# Altium PCB 主控板20160428.PcbDoc (part 1 of 2) (continued)
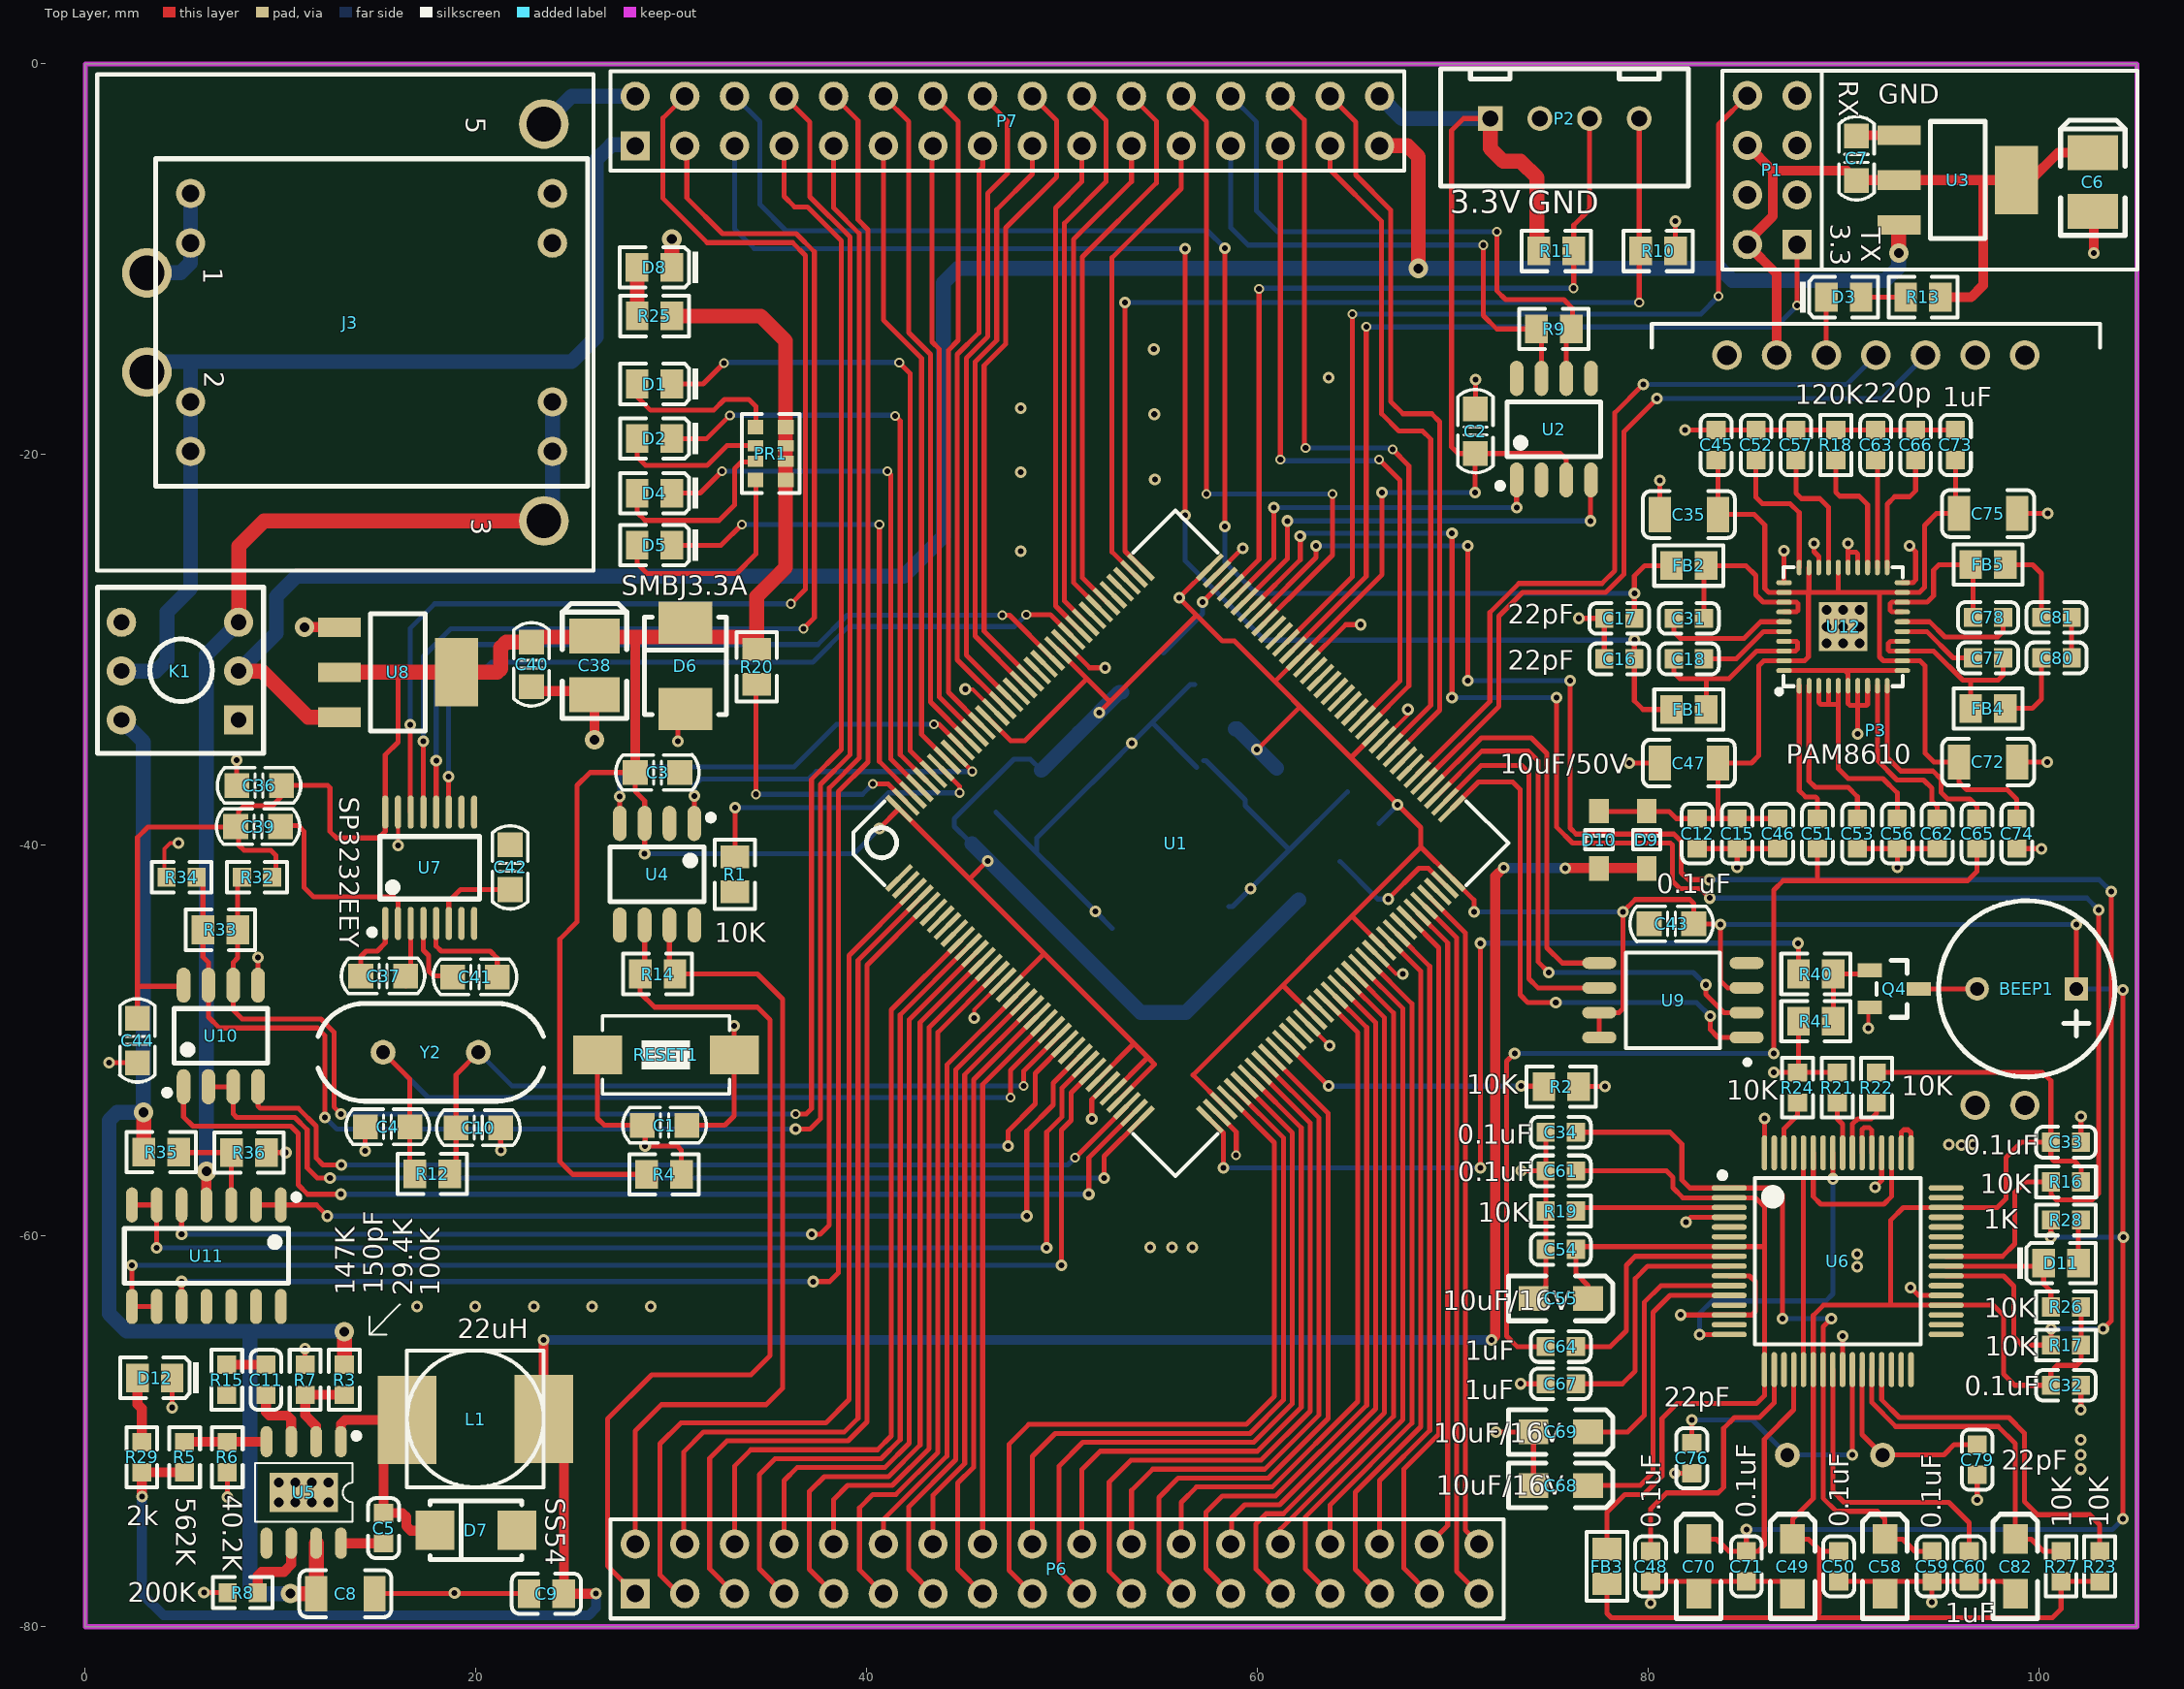
[diagram p0: Top Layer view]
## Footprints (in the part's own frame and the unit in brackets; to place one, negate y for a bottom-side part, rotate by r counter-clockwise, add the part's x,y. Pads: shape width x height; smd on the part's side, far side on the other; paste and mask are expansions set on the pad)
0603_C [mm]
  rect 0.93x0.98 smd: 1(-0.77,0) 2(0.77,0)
  silkscreen extent -1.53,-0.79 1.54,0.79, body extent -0.8,-0.4 0.8,0.4, height 0.3
0603_R [mm]
  rect 0.93x0.98 smd: 1(-0.77,0) 2(0.77,0)
  silkscreen extent -1.53,-0.79 1.54,0.79, body extent -0.85,-0.4 0.85,0.4, height 0.56
0603_Rx4 [mm]
  rect 0.75x0.8 smd mask+0.051: 1(-1.35,-0.77) 4(1.35,-0.77) 5(1.35,0.77) 8(-1.35,0.77)
  rect 0.58x0.8 smd mask+0.051: 2(-0.4,-0.77) 3(0.4,-0.77) 6(0.4,0.77) 7(-0.4,0.77)
  silkscreen extent -2.02,-1.47 2.02,1.47, body extent -1.6,-0.8 1.6,0.8, height 0.55
0805_C [mm]
  rect 1.16x1.47 smd: 1(-0.89,0) 2(0.89,0)
  silkscreen extent -1.77,-1.04 1.77,1.04, body extent -1,-0.62 1,0.63, height 0.77
0805_L [mm]
  rect 1.16x1.47 smd: 1(-0.89,0) 2(0.89,0)
  silkscreen extent -1.77,-1.04 1.77,1.03, body extent -1.02,-0.64 1.03,0.64, height 0.6
0805_R [mm]
  rect 1.16x1.47 smd: 1(-0.89,0) 2(0.89,0)
  silkscreen extent -1.77,-1.04 1.77,1.03, body extent -1,-0.62 1,0.63, height 0.49
1206_C [mm]
  rect 1.13x1.8 smd: 1(-1.49,0) 2(1.49,0)
  silkscreen extent -2.36,-1.2 2.35,1.2, body extent -1.6,-0.81 1.6,0.79, height 1
3216 [mil]
  rect 60x50 smd: 1(55,0) 2(-55,0)
  silkscreen extent -105,-45 105,45, body extent -65,-31 61,32, height 63
AS50-T27 [mm]
  round 1.5 hole 1: 0(38.4,12.7) 0(38.4,15.24)
  round 1.524 hole 1: 1(0,0) 2(0,2.54) 3(0,5.08) 4(0,7.62) 5(0,10.16) 6(0,12.7) 7(0,15.24)
  silkscreen extent -1.6,-3.85 -0.38,19.09
BELL-5 [mm]
  rect 1.2x1.2 hole 0.7: 1(0,0)
  round 1.2 hole 0.7: 2(5.08,0)
  silkscreen extent -1.97,-4.51 7.05,4.51
BTN8.5*8.5 [mm]
  rect 1.5x1.5 hole 0.8: 1(0,0)
  round 1.5 hole 0.8: 2(0,-2.5) 3(0,-5) 4(6,-5) 5(6,-2.5) 6(6,0)
  silkscreen extent -1.27,-6.79 7.23,1.71
C0805 [mil]
  rect 50x50 smd: 1(-45,0) 2(45,0)
  silkscreen extent -84,-36 84,36, body extent -39,-25 40,24, height 20
CASE-B_3528 [mm]
  rect 1.8x2.6 smd: 1(1.5,0) 2(-1.5,0)
  silkscreen extent -2.73,-1.65 3.16,1.65, body extent -1.85,-1.47 1.85,1.46, height 2.03
HDR2X4_CEN [mm]
  rect 1.5x1.5 hole 0.9: 1(0,0)
  round 1.5 hole 0.9: 2(2.54,0) 3(5.08,0) 4(7.62,0) 5(0,2.54) 6(2.54,2.54) 7(5.08,2.54) 8(7.62,2.54)
  silkscreen extent -1.27,-1.27 8.89,3.81
HDR2X16 [mm] "Connec"
  rect 1.5x1.5 hole 0.9: 1(0,0)
  round 1.5 hole 0.9: 2(0,2.54) 3(2.54,0) 4(2.54,2.54) 5(5.08,0) 6(5.08,2.54) 7(7.62,0) 8(7.62,2.54) 9(10.16,0) 10(10.16,2.54) 11(12.7,0) 12(12.7,2.54) 13(15.24,0) 14(15.24,2.54) 15(17.78,0) 16(17.78,2.54) 17(20.32,0) 18(20.32,2.54) 19(22.86,0) 20(22.86,2.54) 21(25.4,0) 22(25.4,2.54) 23(27.94,0) 24(27.94,2.54) 25(30.48,0) 26(30.48,2.54) 27(33.02,0) 28(33.02,2.54) 29(35.56,0) 30(35.56,2.54) 31(38.1,0) 32(38.1,2.54)
  silkscreen extent -1.27,-1.27 39.37,3.81
HDR2X18 [mm] "Connector; Hea"
  rect 1.5x1.5 hole 0.9: 1(0,0)
  round 1.5 hole 0.9: 2(0,2.54) 3(2.54,0) 4(2.54,2.54) 5(5.08,0) 6(5.08,2.54) 7(7.62,0) 8(7.62,2.54) 9(10.16,0) 10(10.16,2.54) 11(12.7,0) 12(12.7,2.54) 13(15.24,0) 14(15.24,2.54) 15(17.78,0) 16(17.78,2.54) 17(20.32,0) 18(20.32,2.54) 19(22.86,0) 20(22.86,2.54) 21(25.4,0) 22(25.4,2.54) 23(27.94,0) 24(27.94,2.54) 25(30.48,0) 26(30.48,2.54) 27(33.02,0) 28(33.02,2.54) 29(35.56,0) 30(35.56,2.54) 31(38.1,0) 32(38.1,2.54) 33(40.64,0) 34(40.64,2.54) 35(43.18,0) 36(43.18,2.54)
  silkscreen extent -1.27,-1.27 44.45,3.81
IDE4 [mil]
  rect 50x50 hole 32: 1(0,0)
  round 50 hole 32: 2(100,0) 3(200,0) 4(300,0)
  silkscreen extent -100,-136 399,100
L-7*7*4mm-S [mm]
  rect 3x4.5 smd: 1(0,-3.556) 2(7,-3.5)
  silkscreen extent 0,-7 7,0
LC-0805_LED_S1 [mm]
  rect 1.16x1.47 smd: A(0.001,0) K(-1.779,0)
  silkscreen extent -3.13,-1.04 0.88,1.03, body extent -1.9,-0.62 0.12,0.62, height 1.1
LC-SOIC-8_EP_150MIL [mm]
  rect 3.5x2 smd: 0(0,0)
  oval 0.6x1.6 smd: 1(-1.905,-2.6) 2(-0.635,-2.6) 3(0.635,-2.6) 4(1.905,-2.6) 5(1.905,2.6) 6(0.635,2.6) 7(-0.635,2.6) 8(-1.905,2.6)
  silkscreen extent -2.85,-3.05 2.5,1.5
LQFP144 [mm]
  rect 1.8x0.254 smd: 1(-0.009,0.001) 2(-0.009,-0.499) 3(-0.009,-0.999) 4(-0.009,-1.499) 5(-0.009,-1.999) 6(-0.009,-2.499) 7(-0.009,-2.999) 8(-0.009,-3.499) 9(-0.009,-3.999) 10(-0.009,-4.499) 11(-0.009,-4.999) 12(-0.009,-5.499) 13(-0.009,-5.999) 14(-0.009,-6.499) 15(-0.009,-6.999) 16(-0.009,-7.499) 17(-0.009,-7.999) 18(-0.009,-8.499) 19(-0.009,-8.999) 20(-0.009,-9.499) 21(-0.009,-9.999) 22(-0.009,-10.499) 23(-0.009,-10.999) 24(-0.009,-11.499) 25(-0.009,-11.999) 26(-0.009,-12.499) 27(-0.009,-12.999) 28(-0.009,-13.499) 29(-0.009,-13.999) 30(-0.009,-14.499) 31(-0.009,-14.999) 32(-0.009,-15.499) 33(-0.009,-15.999) 34(-0.009,-16.499) 35(-0.009,-16.999) 36(-0.009,-17.499) 73(22.491,-17.499) 74(22.491,-16.999) 75(22.491,-16.499) 76(22.491,-15.999) 77(22.491,-15.499) 78(22.491,-14.999) 79(22.491,-14.499) 80(22.491,-13.999) 81(22.491,-13.499) 82(22.491,-12.999) 83(22.491,-12.499) 84(22.491,-11.999) 85(22.491,-11.499) 86(22.491,-10.999) 87(22.491,-10.499) 88(22.491,-9.999) 89(22.491,-9.499) 90(22.491,-8.999) 91(22.491,-8.499) 92(22.491,-7.999) 93(22.491,-7.499) 94(22.491,-6.999) 95(22.491,-6.499) 96(22.491,-5.999) 97(22.491,-5.499) 98(22.491,-4.999) 99(22.491,-4.499) 100(22.491,-3.999) 101(22.491,-3.499) 102(22.491,-2.999) 103(22.491,-2.499) 104(22.491,-1.999) 105(22.491,-1.499) 106(22.491,-0.999) 107(22.491,-0.499) 108(22.491,0.001)
  rect 0.254x1.8 smd: 37(2.491,-19.999) 38(2.991,-19.999) 39(3.491,-19.999) 40(3.991,-19.999) 41(4.491,-19.999) 42(4.991,-19.999) 43(5.491,-19.999) 44(5.991,-19.999) 45(6.491,-19.999) 46(6.991,-19.999) 47(7.491,-19.999) 48(7.991,-19.999) 49(8.491,-19.999) 50(8.991,-19.999) 51(9.491,-19.999) 52(9.991,-19.999) 53(10.491,-19.999) 54(10.991,-19.999) 55(11.491,-19.999) 56(11.991,-19.999) 57(12.491,-19.999) 58(12.991,-19.999) 59(13.491,-19.999) 60(13.991,-19.999) 61(14.491,-19.999) 62(14.991,-19.999) 63(15.491,-19.999) 64(15.991,-19.999) 65(16.491,-19.999) 66(16.991,-19.999) 67(17.491,-19.999) 68(17.991,-19.999) 69(18.491,-19.999) 70(18.991,-19.999) 71(19.491,-19.999) 72(19.991,-19.999) 109(19.991,2.501) 110(19.491,2.501) 111(18.991,2.501) 112(18.491,2.501) 113(17.991,2.501) 114(17.491,2.501) 115(16.991,2.501) 116(16.491,2.501) 117(15.991,2.501) 118(15.491,2.501) 119(14.991,2.501) 120(14.491,2.501) 121(13.991,2.501) 122(13.491,2.501) 123(12.991,2.501) 124(12.491,2.501) 125(11.991,2.501) 126(11.491,2.501) 127(10.991,2.501) 128(10.491,2.501) 129(9.991,2.501) 130(9.491,2.501) 131(8.991,2.501) 132(8.491,2.501) 133(7.991,2.501) 134(7.491,2.501) 135(6.991,2.501) 136(6.491,2.501) 137(5.991,2.501) 138(5.491,2.501) 139(4.991,2.501) 140(4.491,2.501) 141(3.991,2.501) 142(3.491,2.501) 143(2.991,2.501) 144(2.491,2.501)
  silkscreen extent -0.81,-20.8 23.29,3.3
LQFP-64_10x10x05P [mm]
  oval 0.28x1.8 smd mask+0.051: 1(-3.75,-5.55) 2(-3.25,-5.55) 3(-2.75,-5.55) 4(-2.25,-5.55) 5(-1.75,-5.55) 6(-1.25,-5.55) 7(-0.75,-5.55) 8(-0.25,-5.55) 9(0.25,-5.55) 10(0.75,-5.55) 11(1.25,-5.55) 12(1.75,-5.55) 13(2.25,-5.55) 14(2.75,-5.55) 15(3.25,-5.55) 16(3.75,-5.55) 33(3.75,5.55) 34(3.25,5.55) 35(2.75,5.55) 36(2.25,5.55) 37(1.75,5.55) 38(1.25,5.55) 39(0.75,5.55) 40(0.25,5.55) 41(-0.25,5.55) 42(-0.75,5.55) 43(-1.25,5.55) 44(-1.75,5.55) 45(-2.25,5.55) 46(-2.75,5.55) 47(-3.25,5.55) 48(-3.75,5.55)
  oval 1.8x0.28 smd mask+0.051: 17(5.55,-3.75) 18(5.55,-3.25) 19(5.55,-2.75) 20(5.55,-2.25) 21(5.55,-1.75) 22(5.55,-1.25) 23(5.55,-0.75) 24(5.55,-0.25) 25(5.55,0.25) 26(5.55,0.75) 27(5.55,1.25) 28(5.55,1.75) 29(5.55,2.25) 30(5.55,2.75) 31(5.55,3.25) 32(5.55,3.75) 49(-5.55,3.75) 50(-5.55,3.25) 51(-5.55,2.75) 52(-5.55,2.25) 53(-5.55,1.75) 54(-5.55,1.25) 55(-5.55,0.75) 56(-5.55,0.25) 57(-5.55,-0.25) 58(-5.55,-0.75) 59(-5.55,-1.25) 60(-5.55,-1.75) 61(-5.55,-2.25) 62(-5.55,-2.75) 63(-5.55,-3.25) 64(-5.55,-3.75)
  silkscreen extent -4.55,-6.05 4.25,4.25
QFN50P600X600X80-40N [mm] "QFN, 40-Leads, Body 6.1x6.1mm (max), Pitch 0."
  rect 2.5x2.5 smd: 0(0,0)
  oval 0.25x0.8 smd: 1(-2.25,-3.025) 2(-1.75,-3.025) 3(-1.25,-3.025) 4(-0.75,-3.025) 5(-0.25,-3.025) 6(0.25,-3.025) 7(0.75,-3.025) 8(1.25,-3.025) 9(1.75,-3.025) 10(2.25,-3.025) 21(2.25,3.025) 22(1.75,3.025) 23(1.25,3.025) 24(0.75,3.025) 25(0.25,3.025) 26(-0.25,3.025) 27(-0.75,3.025) 28(-1.25,3.025) 29(-1.75,3.025) 30(-2.25,3.025)
  oval 0.8x0.25 smd: 11(3.025,-2.25) 12(3.025,-1.75) 13(3.025,-1.25) 14(3.025,-0.75) 15(3.025,-0.25) 16(3.025,0.25) 17(3.025,0.75) 18(3.025,1.25) 19(3.025,1.75) 20(3.025,2.25) 31(-3.025,2.25) 32(-3.025,1.75) 33(-3.025,1.25) 34(-3.025,0.75) 35(-3.025,0.25) 36(-3.025,-0.25) 37(-3.025,-0.75) 38(-3.025,-1.25) 39(-3.025,-1.75) 40(-3.025,-2.25)
  silkscreen extent -3.4,-3.45 3.05,3.05, body extent -3.02,-3.02 3.03,3.03, height 0.8
SMA(DO-214AC)_S1 [mm]
  rect 2x2 smd: 1(2.1,0) 2(-2.1,0)
  silkscreen extent -2.35,-1.5 2.35,1.5
SMB(DO-214AA)_S1 [mm]
  rect 2.159x2.743 smd: 1(2.21,0) 2(-2.21,0)
  silkscreen extent -2.5,-2.1 2.5,2.1
SOD-123 [mm]
  rect 1.25x1 smd: 1(1.475,0) 2(-1.475,0)
  silkscreen extent -0.5,-0.7 0.5,0.7, body extent -1.85,-0.77 1.85,0.78, height 1.35
SOIC8_W [mm]
  oval 1.75x0.6 smd: 1(-3.768,1.905) 2(-3.768,0.635) 3(-3.768,-0.635) 4(-3.768,-1.905) 5(3.768,-1.905) 6(3.768,-0.635) 7(3.768,0.635) 8(3.768,1.905)
  silkscreen extent -3.93,-2.45 2.41,3.3
SOIC-8_150mil [mm]
  oval 0.7x1.8 smd: 1(-1.905,-2.6) 2(-0.635,-2.6) 3(0.635,-2.6) 4(1.905,-2.6) 5(1.905,2.6) 6(0.635,2.6) 7(-0.635,2.6) 8(-1.905,2.6)
  silkscreen extent -2.9,-3.05 2.4,1.4
SOIC-14_150mil [mm]
  oval 0.6x1.8 smd: 1(-3.81,-2.6) 2(-2.54,-2.6) 3(-1.27,-2.6) 4(0,-2.6) 5(1.27,-2.6) 6(2.54,-2.6) 7(3.81,-2.6) 8(3.81,2.6) 9(2.54,2.6) 10(1.27,2.6) 11(0,2.6) 12(-1.27,2.6) 13(-2.54,2.6) 14(-3.81,2.6)
  silkscreen extent -4.75,-3.15 4.2,1.4
SOT-23(SOT-23-3) [mm]
  rect 1.25x0.7 smd: 1(1.25,-0.95) 2(1.25,0.95) 3(-1.25,0)
  silkscreen extent -0.65,-1.46 0.9,1.46, body extent -1.5,-1.5 1.5,1.5, height 1.3
SOT-223 [mm]
  rect 2.2x1 smd: 1(3,-2.3) 2(3,0) 3(3,2.3)
  rect 2.2x3.5 smd: 2(-3,0)
  silkscreen extent -1.4,-3 1.4,3, body extent -3.49,-3.24 3.49,3.24, height 1.64
SW_PB2_A1 [mm]
  rect 2x2.5 smd: 1(0,3.556) 2(0,-3.444)
  silkscreen extent -2,-3.19 2,3.31, body extent -2.03,-3.17 2.03,3.3, height 1.2
TSSOP-16 [mm]
  oval 0.32x1.7 smd: 1(-2.275,-2.85) 2(-1.625,-2.85) 3(-0.975,-2.85) 4(-0.325,-2.85) 5(0.325,-2.85) 6(0.975,-2.85) 7(1.625,-2.85) 8(2.275,-2.85) 9(2.275,2.85) 10(1.625,2.85) 11(0.975,2.85) 12(0.325,2.85) 13(-0.325,2.85) 14(-0.975,2.85) 15(-1.625,2.85) 16(-2.275,2.85)
  silkscreen extent -3.1,-3.45 2.55,1.6
WD5-24S3V3 [mm]
  round 2.54 hole 1.778: 1(0,0) 2(0,-5.08) 3(20.32,-12.7) 5(20.32,7.62)
  round 1.5 hole 0.9: 1(2.235,1.524) 1(2.235,4.064) 2(2.235,-9.144) 2(2.235,-6.604) 3(20.759,-9.144) 3(20.759,-6.604) 5(20.759,1.524) 5(20.759,4.064)
  silkscreen extent -2.54,-15.24 22.86,10.16
XTAL_US [mil]
  round 50 hole 28: 1(0,0) 2(192.13,0)
  silkscreen extent -137,-98 329,98

## Part data
C1 C7 C13 C14 C19 C20 C21 C22 C23 C24 C25 C26 C27 C28 C29 C30 C40 C43: library part C
C2 C3 C4 C10 C44: library part C_3
C5 C8 C9 C11 C12 C15 C16 C17 C18 C31 C32 C33 C34 C45 C46 C48 C50 C51 C52 C53 C54 C56 C57 C59 C60 C61 C62 C63 C64 C65 C66 C67 C71 C73 C74 C77 C78 C80 C81: library part "Cap Semi", "Capacitor (Semiconductor SIM Model)"
C6 C38: library part CAP
C35 C47 C72 C75 C76 C79: library part "Cap NP", "电容"
C36: library part C_2
C37 C39 C41 C42: library part Cap, "Capacitor"
C49 C55 C58 C68 C69 C82: library part "CAP POL"
C70: library part CAPACITOR, "Capacitor"
D1 D2 D3 D4 D5 D8 D11 D12: library part LED0, "Typical INFRARED GaAs LED"
D6: library part "D Zener", "Zener Diode"
D7: library part "SMA(DO-214AC) SS54", "二极管"
D9 D10: library part "SOD-123 B5819W  SL", "肖特基二极管"
FB1 FB2 FB3 FB4 FB5: library part "0805 600Ω 25% 100MHz", "贴片磁珠"
J3: library part WD5-24S3V3A1
L1: library part Inductor, "Inductor"
P1: library part "Header 4X2A", "Header, 4-Pin, Dual row"
P2: "Header, 4-Pin, Right Angle"
P3: "Header, 7-Pin"
P6: "Header, 18-Pin, Dual row"
P7: "Header, 16-Pin, Dual row"
PR1: library part "0603*4  1KΩ (102) 5%", "贴片排阻"
Q4: library part "SOT-23 SS8050 Y1", "三极管"
R1 R2: library part R_1
R3 R4 R5 R6 R7 R8 R9 R13 R14 R15 R20 R25 R29 R32 R33 R34: library part R_2
R10 R11: library part RES2
R12 R40 R41: library part R
R16 R17 R18 R19 R21 R22 R23 R24 R26 R27 R28 R35 R36: library part Res2, "Resistor"
U2 U4: "CAN"
U3 U8: library part "SOT-223 AMS1117-3.3", "低压差线性稳压(LDO)"
U5: library part MP1584EN
U6: library part XFS5152-2
U7: library part MAX3232CUE, "RS232"
U9: library part W25QXX, "Flash ROM"
U10: "RS-485/RS-422"
U11: "运放"
U12: library part PAM8610功放芯片
Y1: library part XTAL1, "晶振"
Y2: library part XTAL, "Crystal Oscillator"

## Via types
v1: diameter 0.6, hole 0.3, Top Layer to Bottom Layer, tented both sides, 177 vias
v2: diameter 0.5, hole 0.3, Top Layer to Bottom Layer, tented both sides, 37 vias
v3: diameter 0.8, hole 0.5, Top Layer to Bottom Layer, 17 vias
v4: diameter 1, hole 0.5, Top Layer to Bottom Layer, tented both sides, 9 vias
v5: diameter 0.6, hole 0.3, Top Layer to Bottom Layer, 6 vias

## Nets (pads, with @x,y where several pads share a name; then routed paths per layer and width w, separated by ;. In a path a pad name is that pad's centre, name@x,y a point inside that pad or via, vN(x,y) a via of type N, cw(c..) or ccw(c..) an arc to the next point about the centre after c; other vN are vias at no path point)
3.3V: C6.1 C7.2 P1.5 P1.7 P3.2 R13.1 U3.2 | length 38.4
  Top Layer w0.508: P1.7@85.065,-4.166 86.36,-5.461 ; P3.2@86.563,-14.91 86.563,-10.744 P1.5@85.065,-9.246 85.065,-9.093 86.36,-7.798 86.36,-5.461 ; R13.1@94.946,-11.938 96.52,-11.938 97.13,-11.328 97.13,-5.944 ; C6.1@102.46,-4.648 C6.1@103.403,-4.648 ; C6.1@102.743,-4.545 100.963,-4.545 99.565,-5.944 97.13,-5.944 ; 86.36,-5.461 90.145,-5.461 C7.2@90.653,-5.969 90.678,-5.944 92.815,-5.944 97.13,-5.944
ADAC: C51.1 C64.1 C65.1 | length 52.1
  Top Layer w0.254: v1(73.152,-50.648) 72.746,-51.054 72.746,-65.126 73.279,-65.659 C64.1@74.744,-65.659 ; v1(86.411,-50.648) 86.411,-42.291 86.893,-41.808 96.342,-41.808 96.816,-41.334 C65.1@96.816,-40.171 ; 88.654,-41.8 C51.1@88.654,-40.171
  Bottom Layer w0.254: v1(73.152,-50.648) v1(86.411,-50.648)
AUX: D3.K P3.3 | length 3
  Top Layer w0.254: D3.K@89.102,-11.938 D3.K@89.102,-11.938 P3.3@89.103,-14.91
AVCC_12: C12.1 C15.1 C35.1 C45.1 C46.1 C47.1 C72.1 C73.1 C74.1 C75.1 D9.2 D10.2 U12.12 U12.19 U12.26 U12.29 U12.32 U12.39 | length 69.8
  Top Layer w0.254: D10.2@77.469,-38.263 79.907,-38.263 81.062,-38.263 81.43,-38.631 C12.1@82.499,-38.631 C15.1@84.541,-38.631 C46.1@86.614,-38.631 ; C45.1@83.464,-20.277 83.557,-20.37 C35.1@83.557,-23.063 85.42,-23.063 85.954,-23.597 85.954,-26.848 86.159,-27.054 U12.32@86.942,-27.054 91.821,-27.054 ; 83.557,-38.593 C47.1@83.557,-35.789 85.268,-35.789 85.649,-35.408 85.649,-30.81 85.905,-30.554 U12.39@86.942,-30.554 87.988,-30.554 88.189,-30.353 88.189,-27.059 ; 88.217,-27.031 U12.29@88.217,-25.779 ; 89.717,-27.024 U12.26@89.717,-25.779 ; C75.1@95.714,-22.832 C73.1@95.714,-20.277 ; C75.1@95.894,-23.012 94.742,-23.012 94.132,-23.622 94.132,-26.797 93.876,-27.054 U12.19@92.992,-27.054 91.821,-27.054 ; C74.1@98.857,-38.631 98.857,-37.643 98.374,-37.16 96.291,-37.16 95.894,-36.762 C72.1@95.894,-35.738 94.615,-35.738 94.158,-35.281 94.158,-30.81 93.901,-30.554 U12.12@92.992,-30.554 92.022,-30.554 91.821,-30.353 91.821,-27.054
AVDD12: C60.2 U6.24 | length 15.3
  Top Layer w0.254: U6.24@89.437,-66.84 89.437,-73.054 90.018,-73.635 95.377,-73.635 96.418,-74.676 C60.2@96.418,-76.141
AVDD33: C54.1 C55.1 C61.1 FB3.1 U6.2 U6.7 U6.17 | length 47
  Top Layer w0.254: C61.1@76.284,-56.667 80.924,-56.667 81.255,-56.998 81.255,-57.531 81.764,-58.04 U6.2@84.137,-58.04 85.472,-58.04 85.937,-58.505 85.937,-60.503 ; C55.1@76.911,-63.195 76.911,-62.535 76.284,-61.908 C54.1@76.284,-60.681 76.425,-60.54 U6.7@84.137,-60.54 85.9,-60.54 85.937,-60.503 ; FB3.1@77.876,-76.021 77.876,-74.143 78.791,-73.228 79.768,-73.228 80.696,-72.3 80.696,-69.342 81.458,-68.58 85.522,-68.58 85.937,-68.164 U6.17@85.937,-66.84 85.937,-60.503
BEEP: R40.1 U1.37 | length 45.3
  Top Layer w0.254: U1.37@57.559,-54.036 58.242,-54.719 v1(58.242,-56.515) ; v1(71.399,-56.515) v1(71.399,-45.009) ; v1(87.655,-45.009) 87.68,-45.033 R40.1@87.68,-46.584
  Bottom Layer w0.254: v1(58.242,-56.515) v1(71.399,-56.515) ; v1(71.399,-45.009) v1(87.655,-45.009)
BOOT0: R1.1 U1.138 | length 16.1
  Top Layer w0.254: R1.1@33.249,-40.588 33.249,-38.075 v1(33.253,-38.071) ; U1.138@43.771,-36.005 44.755,-36.989 v2(44.755,-37.313)
  Bottom Layer w0.254: v1(33.253,-38.071) 40.339,-38.071 41.097,-37.313 v2(44.755,-37.313)
BOOT1: R2.2 U1.48 | length 14.1
  Top Layer w0.254: U1.48@61.448,-50.147 v1(63.627,-52.326) ; v1(73.482,-52.326) 74.626,-52.326 R2.2@74.65,-52.349
  Bottom Layer w0.254: v1(63.627,-52.326) v1(73.482,-52.326)
BY_KC1: P7.21 U1.115 | length 25.5
  Top Layer w0.254: U1.115@51.902,-27.873 50.571,-26.543 50.571,-8.992 53.543,-6.02 P7.21@53.543,-4.191
BY_KC2: P7.20 U1.117 | length 28.8
  Top Layer w0.254: P7.20@51.003,-1.651 52.248,-2.896 52.248,-6.02 50.114,-8.153 50.114,-27.5 U1.117@51.195,-28.58
BY_KC3: P7.19 U1.118 | length 25.8
  Top Layer w0.254: U1.118@50.842,-28.934 49.657,-27.749 49.657,-7.366 51.003,-6.02 P7.19@51.003,-4.191
CAN2_H: P6.2 R14.2 U4.7 | length 42.8
  Top Layer w0.254: P6.2@28.143,-75.768 28.143,-69.977 29.489,-68.631 34.849,-68.631 35.687,-67.793 35.687,-47.879 34.392,-46.584 R14.2@30.176,-46.584 29.896,-46.303 U4.7@29.896,-44.078
CAN2_L: P6.1 R14.1 U4.6 | length 47.2
  Top Layer w0.254: P6.1@28.143,-78.308 26.721,-76.886 26.721,-69.367 28.981,-67.107 34.061,-67.107 35.052,-66.116 35.052,-48.946 34.392,-48.285 29.134,-48.285 28.396,-47.548 R14.1@28.396,-46.584 28.626,-46.354 U4.6@28.626,-44.078
CAN2_RX: U1.135 U4.4 | length 21.5
  Top Layer w0.254: U4.4@27.356,-38.878 v1(27.356,-37.49) ; v2(43.434,-33.807) 43.694,-33.807 U1.135@44.831,-34.944
  Bottom Layer w0.254: v1(27.356,-37.49) 27.356,-36.474 27.838,-35.992 36.271,-35.992 38.456,-33.807 v2(43.434,-33.807)
CAN2_TX: U1.136 U4.1 | length 17.8
  Top Layer w0.254: U4.1@31.166,-38.878 v1(31.166,-37.465) ; U1.136@44.478,-35.298 v2(45.4,-36.22) v2@45.415,-36.22
  Bottom Layer w0.254: v1(31.166,-37.465) 31.166,-36.932 31.496,-36.601 37.033,-36.601 37.414,-36.22 v2(45.4,-36.22)
CAN_H: P7.25 R9.2 U2.7 | length 26.5
  Top Layer w0.254: v2(71.552,-9.271) 71.552,-12.878 72.238,-13.564 R9.2@74.345,-13.564 ; U2.7@74.524,-16.094 R9.2@74.524,-13.742
  Bottom Layer w0.254: P7.25@58.623,-4.191 58.623,-8.382 59.512,-9.271 v2(71.552,-9.271)
CAN_L: P7.26 R9.1 U2.6 | length 29.7
  Top Layer w0.254: v2(72.238,-8.585) 72.238,-11.608 72.695,-12.065 75.667,-12.065 76.125,-12.523 R9.1@76.125,-13.564 ; U2.6@75.794,-16.094 R9.1@75.794,-13.895
  Bottom Layer w0.254: P7.26@58.623,-1.651 59.944,-2.972 59.944,-7.518 61.011,-8.585 v2(72.238,-8.585)
CAN_RX: U1.103 U2.4 | length 22.7
  Top Layer w0.254: U1.103@59.327,-27.52 61.519,-25.328 v1(61.519,-23.393) ; v1(77.038,-23.393) 77.038,-21.32 U2.4@77.064,-21.294
  Bottom Layer w0.254: v1(61.519,-23.393) v1(77.038,-23.393)
CAN_TX: U1.104 U2.1 | length 19.1
  Top Layer w0.254: U1.104@58.973,-27.166 60.833,-25.307 v1(60.833,-22.708) ; v1@73.249,-22.708 73.249,-21.34 73.228,-21.32 U2.1@73.254,-21.294
  Bottom Layer w0.254: v1(60.833,-22.708) v1(73.254,-22.708)
CLK: P6.27 U1.57 | length 35.9
  Top Layer w0.254: P6.27@61.163,-78.308 59.919,-77.064 59.919,-74.727 60.427,-74.219 61.311,-74.219 66.493,-69.037 66.493,-48.828 U1.57@64.63,-46.965
D0: U6.16 U6.57 | length 17.1
  Top Layer w0.254: v1(82.61,-65.04) U6.16@84.137,-65.04 ; v1(89.437,-57.07) U6.57@89.437,-55.74
  Bottom Layer w0.254: v1(82.61,-65.04) 82.61,-63.973 83.261,-63.322 89.078,-63.322 89.437,-62.963 v1(89.437,-57.07)
D1: U6.21 U6.60 | length 11.1
  Top Layer w0.254: U6.21@87.937,-66.84 U6.60@87.937,-55.74
D2: U6.49 U6.50 | length 2.7
  Top Layer w0.254: U6.50@92.937,-55.74 92.937,-54.687 93.066,-54.559 93.294,-54.559 93.437,-54.702 U6.49@93.437,-55.74
D3: U6.51 U6.59 | length 8.8
  Top Layer w0.254: U6.59@88.437,-55.74 88.437,-57.983 88.824,-58.369 92.05,-58.369 92.437,-57.981 U6.51@92.437,-55.74
DATA: P6.26 U1.56 | length 33.4
  Top Layer w0.254: P6.26@58.623,-75.768 58.674,-75.717 P6.26@58.674,-75.692 ; P6.26@58.623,-75.743 P6.26@58.674,-75.692 ; U1.56@64.277,-47.319 66.036,-49.078 66.036,-68.847 61.122,-73.762 59.334,-73.762 58.674,-74.422 P6.26@58.674,-75.692
DJ1_KC1: P6.6 U1.10 | length 39.5
  Top Layer w0.254: P6.6@33.223,-75.768 33.223,-71.78 34.061,-70.942 40.538,-70.942 41.25,-70.231 41.25,-48.426 U1.10@44.831,-44.844
DJ1_KC2: P7.14 U1.132 | length 33.7
  Top Layer w0.254: P7.14@43.383,-1.651 44.679,-2.946 44.679,-14.148 44.171,-14.656 44.171,-32.162 U1.132@45.892,-33.884
DJ1_KC3: P7.13 U1.133 | length 31
  Top Layer w0.254: P7.13@43.383,-4.191 43.332,-4.242 43.332,-14.224 43.713,-14.605 43.713,-32.412 U1.133@45.538,-34.237
DJ2_KC1: P6.7 U1.11 | length 41.2
  Top Layer w0.254: P6.7@35.763,-78.308 34.493,-77.038 34.493,-72.212 35.306,-71.399 40.728,-71.399 41.707,-70.42 41.707,-48.675 U1.11@45.185,-45.197
DJ2_KC2: P7.16 U1.128 | length 33.1
  Top Layer w0.254: P7.16@45.923,-1.651 47.193,-2.921 47.193,-5.613 46.189,-6.618 46.189,-13.956 45.085,-15.06 45.085,-30.249 U1.128@47.306,-32.47
DJ2_KC3: P7.15 U1.129 | length 30.1
  Top Layer w0.254: P7.15@45.923,-4.191 45.923,-5.283 45.731,-5.475 45.731,-13.767 44.628,-14.87 44.628,-30.498 U1.129@46.953,-32.823
DJ3_KC1: P6.8 U1.12 | length 36.9
  Top Layer w0.254: P6.8@35.763,-75.768 35.763,-72.517 36.424,-71.857 40.917,-71.857 42.164,-70.61 42.164,-48.925 U1.12@45.538,-45.551
DJ3_KC2: P7.12 U1.134 | length 34.7
  Top Layer w0.254: P7.12@40.843,-1.651 42.139,-2.946 42.139,-13.755 43.256,-14.873 43.256,-32.662 U1.134@45.185,-34.591
DJ3_KC3: P7.11 U1.137 | length 32.8
  Top Layer w0.254: P7.11@40.843,-4.191 40.843,-13.106 42.799,-15.062 42.799,-34.326 U1.137@44.124,-35.652
DJ4_KC1: P6.9 U1.13 | length 38.5
  Top Layer w0.254: P6.9@38.303,-78.308 37.059,-77.064 37.059,-73.076 37.821,-72.314 41.107,-72.314 42.723,-70.698 42.723,-49.08 42.717,-49.08 U1.13@45.892,-45.905
DJ4_KC2: P7.18 U1.125 | length 32.8
  Top Layer w0.254: U1.125@48.367,-31.409 47.56,-30.602 45.999,-29.042 45.999,-15.439 47.103,-14.335 47.103,-8.396 49.708,-5.791 49.708,-2.896 P7.18@48.463,-1.651
DJ4_KC3: P7.17 U1.126 | length 29.8
  Top Layer w0.254: U1.126@48.013,-31.762 45.542,-29.291 45.542,-15.249 46.646,-14.146 46.646,-7.456 48.463,-5.639 P7.17@48.463,-4.191
DWQ1: P7.9 U11.5 | length 91.4
  Top Layer w0.254: v1(4.928,-59.919) U11.5@4.928,-58.268 ; v1(37.186,-59.919) 37.596,-59.919 38.079,-59.436 38.079,-37.068 39.603,-35.544 39.603,-8.672 38.303,-7.373 P7.9@38.303,-4.191
  Bottom Layer w0.254: v1(4.928,-59.919) v1(37.186,-59.919)
DWQ1_ADC: U1.28 U11.6 U11.7 | length 59.2
  Top Layer w0.254: U11.7@2.388,-58.411 U11.6@3.658,-58.411 v1(3.658,-60.604) ; v1(49.2,-60.604) 49.2,-54.684 49.991,-53.893 49.991,-52.412 U1.28@51.195,-51.208
  Bottom Layer w0.254: v1(3.658,-60.604) v1(49.2,-60.604)
DWQ2: P7.10 U11.10 | length 96.9
  Top Layer w0.254: U11.10@4.928,-63.856 v1(4.928,-62.332) ; v1(37.262,-62.332) 38.1,-62.332 38.536,-61.896 38.536,-37.258 40.06,-35.734 40.06,-8.483 39.548,-7.971 39.548,-2.896 P7.10@38.303,-1.651
  Bottom Layer w0.254: v1(4.928,-62.332) v1(37.262,-62.332)
DWQ2_ADC: U1.29 U11.8 U11.9 | length 61.6
  Top Layer w0.254: v1(2.388,-61.493) U11.8@2.388,-63.611 U11.9@3.658,-63.611 ; v1(49.962,-61.493) 49.962,-54.569 50.448,-54.082 50.448,-52.662 U1.29@51.549,-51.561
  Bottom Layer w0.254: v1(2.388,-61.493) v1(49.962,-61.493)
F_CS: U1.73 U9.1 | length 27.6
  Top Layer w0.254: U1.73@69.933,-38.126 71.306,-36.754 73.05,-36.754 73.431,-37.135 73.431,-47.65 73.838,-48.057 v1(75.26,-48.057) ; v1(83.16,-48.743) 83.16,-49.428 83.566,-49.835 U9.1@85.023,-49.835
  Bottom Layer w0.254: v1(75.26,-48.057) 82.474,-48.057 v1(83.16,-48.743)
GND: C1.2 C2.2 C3.2 C4.1 C6.2 C7.1 C8.2 C9.1 C10.1 C12.2 C13.2 C14.2 C15.2 C16.1 C17.1 C19.1 C20.1 C21.1 C22.1 C23.1 C24.1 C25.1 C26.1 C27.1 C28.1 C29.1 C30.1 C32.2 C33.2 C34.2 C35.2 C36.1 C38.2 C40.1 C42.2 C43.2 C44.2 C45.2 C46.2 C47.2 C48.1 C49.2 C50.2 C52.2 C53.1 C54.2 C55.2 C56.1 C57.2 C58.2 C59.2 C60.1 C61.2 C62.1 C63.2 C66.2 C67.1 C68.2 C69.2 C70.2 C71.2 C72.2 C73.2 C74.2 C75.2 C76.1 C79.1 C80.1 C81.1 C82.2 D6.1 D7.1 D8.K D12.K J3.1 J3.5 P1.4 P2.2 P3.1 P3.6 P3.7 P7.2 Q4.2 R1.2 R2.1 R6.2 R7.2 R8.2 R10.1 R15.2 R18.1 R19.1 R21.2 R24.1 R34.2 R36.1 R41.1 RESET1.2 U1.16 U1.31 U1.38 U1.51 U1.61 U1.83 U1.94 U1.107 U1.120 U1.130 U2.2 U2.8 U3.1 U4.2 U4.8 U5.5 U6.4 U6.10 U6.14 U6.25 U6.37 U6.52 U6.64 U7.15 U8.1 U9.4 U10.5 U11.11 U12.6 U12.7 U12.8 U12.11 U12.20 U12.24 U12.25 U12.28 U12.31 U12.40 | length 243.6
  Top Layer w0.2: R34.2@4.038,-41.631 4.038,-40.184 4.343,-39.878 v5(4.775,-39.878) ; v5(16.003,-40.004) U7.15@16.003,-38.298 ; v1(45.034,-32.004) 45.426,-32.004 U1.130@46.599,-33.177 ; v1(45.491,-48.844) 45.491,-48.426 U1.16@46.953,-46.965 ; U1.51@62.509,-49.087 v1(63.678,-50.256) ; U1.61@66.044,-45.551 67.077,-46.584 v1(67.437,-46.584) ; U1.83@66.398,-34.591 67.691,-33.298 v1(67.691,-33.045) ; v1(91.256,-49.371) Q4.2@91.256,-48.372
  Top Layer w0.254: v1(1.219,-51.13) C44.2@2.667,-51.13 ; v1(4.446,-68.782) D12.K@4.446,-67.259 ; v1(6.071,-78.257) R8.2@7.282,-78.257 ; v1(7.264,-73.355) R6.2@7.264,-72.093 ; C36.1@7.747,-36.932 v1(7.747,-35.636) ; U10.5@8.839,-47.219 v1(8.839,-45.745) ; R36.1@9.272,-55.728 v1(10.262,-55.728) ; R7.2@11.252,-66.591 v1(11.252,-65.761) ; v1(14.326,-55.651) C4.1@14.326,-54.407 ; C8.2@14.8,-78.308 C9.1@22.707,-78.308 ; v1(21.26,-55.626) C10.1@21.26,-54.458 ; v1(30.328,-34.671) D6.1@30.328,-33.122 ; C1.2@30.785,-54.331 32.741,-54.331 33.213,-53.858 RESET1.2@33.213,-50.724 v1(33.213,-49.236) ; U1.120@50.134,-29.641 51.405,-30.912 v1(52.197,-30.912) ; v1@51.511,-54.026 v1(51.511,-54) 51.511,-53.013 U1.31@52.256,-52.269 ; U1.38@57.913,-53.683 58.903,-54.673 v2(58.903,-55.855) ; U1.107@57.913,-26.106 v1(59.233,-24.785) ; U1.94@62.509,-30.702 64.509,-28.702 v1(65.278,-28.702) ; C2.2@71.145,-17.653 v1(71.145,-16.154) ; v1(72.187,-70.028) C69.2@74.117,-70.028 C68.2@74.117,-72.771 ; v1(73.457,-67.564) C67.1@74.744,-67.564 ; v1(73.482,-56.667) C61.2@74.744,-56.667 ; C55.2@74.117,-63.195 74.744,-62.568 C54.2@74.744,-60.681 R19.1@74.744,-58.725 C34.2@74.744,-54.686 ; R2.1@76.43,-52.349 v1(77.775,-52.349) ; v1(76.437,-28.38) C17.1@77.741,-28.38 C16.1@77.741,-30.455 ; v1(79.019,-35.789) C47.2@80.577,-35.789 ; v1(80.112,-78.791) C48.1@80.112,-77.681 C49.2@86.749,-77.681 ; C35.2@80.577,-23.063 v1(80.577,-21.319) ; v1(81.348,-72.144) C76.1@82.22,-72.144 ; R10.1@81.383,-9.576 v1(81.383,-8.053) ; v1(81.642,-64.04) U6.14@84.137,-64.04 85.286,-64.04 85.471,-63.856 85.471,-62.332 85.18,-62.04 U6.10@84.137,-62.04 ; v1(81.882,-18.737) C45.2@83.464,-18.737 C52.2@85.506,-18.737 C57.2@87.547,-18.737 R18.1@89.589,-18.737 C63.2@91.63,-18.737 C66.2@93.672,-18.737 C73.2@95.714,-18.737 ; v1(81.915,-59.284) 82.158,-59.04 U6.4@84.137,-59.04 ; C12.2@82.499,-40.171 C15.2@84.541,-40.171 ; v1(84.541,-41.113) C15.2@84.541,-40.171 ; U6.64@85.937,-55.74 v1(85.937,-53.984) ; v1@86.368,-51.63 v1(86.411,-51.63) R24.1@87.63,-51.63 ; C46.2@86.614,-40.171 C15.2@84.541,-40.171 ; U12.40@86.942,-31.054 90.058,-31.054 ; U12.31@86.942,-26.554 v1(86.942,-24.92) ; R41.1@87.68,-48.997 87.68,-51.58 R24.1@87.63,-51.63 ; v1(88.468,-24.536) 88.468,-24.968 88.717,-25.217 U12.28@88.717,-25.779 ; R21.2@89.662,-51.63 R24.1@87.63,-51.63 ; C50.2@89.738,-77.681 C59.2@94.513,-77.681 ; v1(89.937,-65.13) U6.25@89.937,-66.84 U6.25@89.941,-66.836 ; U12.25@90.217,-25.779 90.217,-24.994 ; v1(90.217,-24.54) 90.217,-24.994 ; C53.1@90.695,-40.171 C56.1@92.735,-40.171 ; v1(90.717,-34.303) 90.717,-32.842 ; U12.7@90.717,-31.829 90.717,-32.842 ; U12.24@90.717,-25.779 90.717,-25.083 90.627,-24.994 90.217,-24.994 ; U12.8@91.217,-31.829 91.217,-32.783 91.158,-32.842 90.717,-32.842 ; v1(91.592,-57.506) 91.937,-57.161 U6.52@91.937,-55.74 ; v1(92.735,-41.123) C56.1@92.735,-40.171 ; U12.11@92.992,-31.054 90.058,-31.054 ; U12.20@92.992,-26.554 93.538,-26.554 93.675,-26.416 93.675,-24.968 v1(93.37,-24.663) ; v1(93.421,-62.636) 93.825,-63.04 U6.37@95.237,-63.04 ; v1(94.513,-78.74) C59.2@94.513,-77.681 ; C62.1@94.776,-40.171 C56.1@92.735,-40.171 ; v1(96.825,-73.508) C79.1@96.825,-72.22 ; C82.2@98.781,-78.308 98.154,-77.681 C59.2@94.513,-77.681 ; C74.2@98.857,-40.171 v1(100.115,-40.171) ; C72.2@98.874,-35.738 v1(100.406,-35.738) ; C75.2@98.874,-23.012 v1(100.432,-23.012) ; C80.1@101.659,-30.404 C81.1@101.659,-28.33 ; v1(102.133,-68.885) 102.137,-68.881 C32.2@102.137,-67.64 ; C33.2@102.137,-55.194 v1(102.137,-53.877) ; 90.058,-31.054 90.217,-31.213 U12.6@90.217,-31.829 90.217,-32.737 90.322,-32.842 90.717,-32.842
  Top Layer w0.508: v4(11.227,-28.829) 12.997,-28.829 U8.1@13.008,-28.84 ; C40.1@22.86,-32.106 26.619,-32.106 C38.2@26.645,-32.131 ; v4(26.06,-34.595) C38.2@26.06,-32.285 ; C7.1@90.653,-3.683 90.692,-3.644 U3.1@92.815,-3.644 ; C6.2@102.743,-7.545 102.794,-7.596 v1(102.794,-9.677)
  Top Layer w0.762: D8.K@30.016,-10.407 v4(30.016,-8.953)
  Bottom Layer w0.254: C30.1@46.609,-38.303 v1(51.689,-43.383) C21.1@52.553,-44.247 ; C19.1@48.692,-40.361 48.692,-39.624 C29.1@50.546,-37.77 C28.1@52.46,-35.856 v1(53.548,-34.768) 56.55,-31.766 C14.2@56.785,-31.766 ; C27.1@54.661,-33.782 C26.1@56.883,-36.005 ; C26.1@57.226,-35.662 57.353,-35.662 C25.1@59.36,-37.668 59.36,-37.973 61.62,-40.234 ; C22.1@58.522,-43.129 58.725,-43.129 v1(59.639,-42.215) 61.62,-40.234 ; C24.1@64.592,-37.262 61.62,-40.234
  Bottom Layer w0.762: J3.1@3.15,-10.693 4.877,-10.693 5.385,-10.185 J3.1@5.385,-9.169 J3.1@5.385,-6.629 ; J3.5@23.47,-3.073 24.892,-1.651 P7.2@28.143,-1.651
  other v1: 18.898,-78.283 102.133,-71.933 102.133,-71.196 102.133,-70.434 16.967,-63.602 19.958,-63.602 22.949,-63.602 25.94,-63.602 28.931,-63.602 90.678,-61.57 90.678,-60.935 54.508,-60.579 55.626,-60.579 56.667,-60.579 96.012,-55.347 95.377,-55.321 96.622,-55.321 47.879,-24.943 54.737,-21.26 47.879,-20.904 54.712,-17.932 47.879,-17.628 63.627,-16.053 54.686,-14.605
IIC_SCL: U6.47
IIC_SDA: U6.48
INPUT_1: P6.3 U1.3 | length 46.3
  Top Layer w0.254: P6.3@30.683,-78.308 30.378,-78.308 29.413,-77.343 29.413,-70.637 30.48,-69.571 37.897,-69.571 39.091,-68.377 39.091,-45.635 U1.3@42.356,-42.369
INPUT_2: P6.4 U1.4 | length 42.3
  Top Layer w0.254: P6.4@30.683,-75.768 30.632,-75.717 30.632,-71.044 31.648,-70.028 38.848,-70.028 39.548,-69.328 39.548,-45.885 U1.4@42.71,-42.723
INPUT_3: P6.5 U1.5 | length 44
  Top Layer w0.254: P6.5@33.223,-78.308 31.953,-77.038 31.953,-71.374 32.842,-70.485 39.038,-70.485 40.005,-69.518 40.005,-46.135 U1.5@43.063,-43.076
INPUT_4: P6.10 U1.14 | length 34.1
  Top Layer w0.254: P6.10@38.303,-75.768 38.303,-73.482 39.014,-72.771 41.296,-72.771 43.18,-70.887 43.18,-49.324 U1.14@46.245,-46.258
INPUT_5: P6.11 U1.15 | length 35.8
  Top Layer w0.254: P6.11@40.843,-78.308 39.624,-77.089 39.624,-73.914 40.31,-73.228 41.485,-73.228 43.637,-71.076 43.637,-49.573 U1.15@46.599,-46.612